# Allegro board FRDM-A-S32K356_PCBLayout.brd (continued)
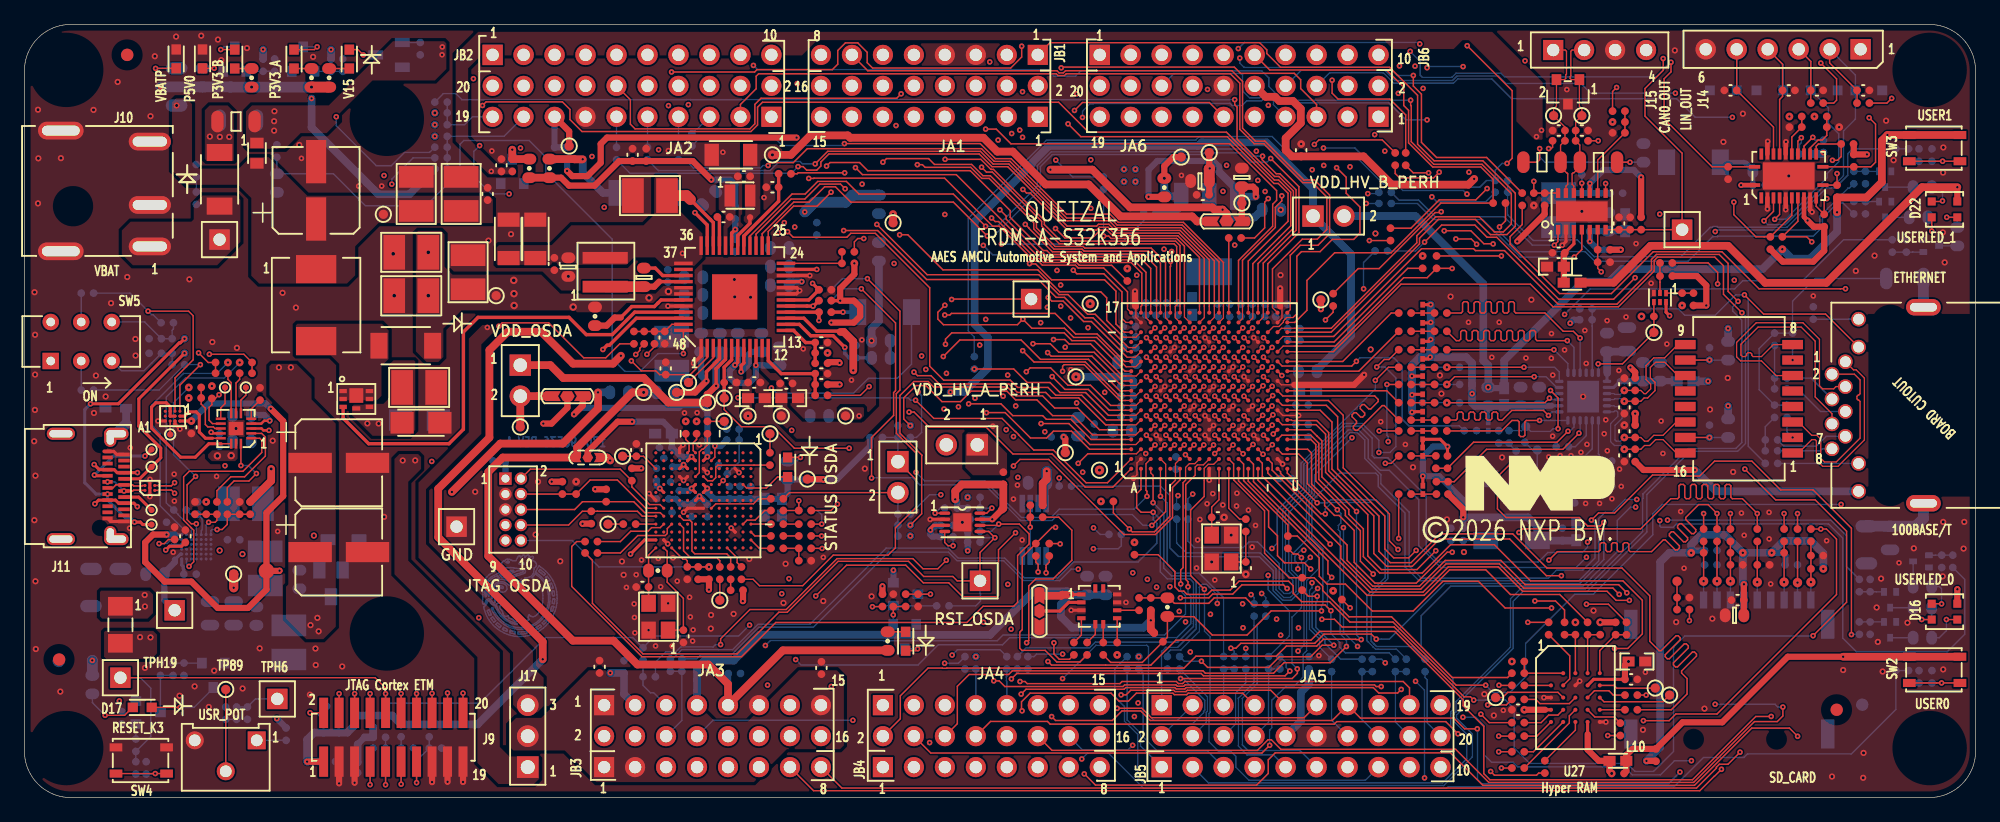
[diagram p0: board, top side]
## Nets (continued)
P3V3_QSPI: C175.1 C176.1 C177.1 L10.2 R495.2 R775.1 R776.1 R779.1 R780.1 U27.B4 U27.D1 U27.E4
P3V3_SDA: C81.1 C82.1 C83.1 C84.1 C85.1 C86.1 C87.1 C88.1 C89.1 C90.1 C91.1 C92.1 C97.1 C101.1 J13.1 Q6.2(\E\) R97.1 R110.1 R115.1 R117.1 R129.1 R130.1 R131.1 R132.1 R141.1 R149.1 R150.1 R151.1 R152.1 R153.1 SJ1.1 SJ2.1 TP29.1(\PIN1\) U8.G5 U8.G6 U8.G7 U8.H5 U8.H6 U8.H7 U8.J3 U8.K3 U8.M6 U8.N12 U10.3
P3V3_SDHD: C173.1 C174.1 J16.4 R752.1 R753.1 R754.1 R755.1 R756.1 R757.1 R805.1
P5V0: C152.1 D16.1 D22.1 JA3.9 L6.2 R5.1 R9.1 R10.1 R137.1 R361.1 R440.1 R528.1 R529.2 SJ2.3 TP124.1(\PIN1\)
V11_MCU: C49.1 C50.1 C51.1 C52.1 C53.1 TP16.1(\PIN1\) U2.H9 U2.J8 U2.J10 U2.K9
V15_MCU: R15.1 R534.1 SJ4.1
V15_MCU_S32K: C58.1 C59.1 C60.1 C61.1 C167.1 C168.1 C169.1 C170.1 C171.1 R534.2 TP17.1(\PIN1\) U2.E9 U2.H8 U2.H10 U2.J13 U2.K8 U2.K10 U2.N6 U2.N8
V25_MCU: C48.1 TP15.1(\PIN1\) U2.J7
VBAT: C1.1 D1.A J10.1 TPH2.1
VBATLIN1_TJA1425: C102.1 C103.1 D11.C(\C\) U11.1
VBATP: F1.1 J14.1 J17.3 R1.1 R500.2 R731.2
VBATP_CAN0: C106.1 C107.1 R169.2 R170.1 U12.10
VBATP_SW: C2.1 C3.1 C6.1 C189.1 F1.2 L1.1 R8.1 TP129.1(\PIN1\)
VBUS_C: J11.A4 J11.A9 J11.B4(\VBUS4\) J11.B9 R501.1 R502.1
VBUS_IN: C67.1 C161.1 C162.1 D1.C(\C\) R82.2 R83.2 R500.1 R730.1 R731.1
VDD_HV_A: C145.1 J9.1 JP4.1 R22.1 R46.1 R124.1 R345.1 R346.1 R347.1 R348.1 R349.1 R350.1 R351.1 R352.1 R353.1 R530.1 R532.1 R806.2 TP125.1(\PIN1\)
VDD_HV_A_MCU: C43.1 C44.1 C45.1 C46.1 C47.1 C163.1 C164.1 C165.1 C166.1 R532.2 TP131.1(\PIN1\) U2.D14 U2.E5 U2.G10 U2.H7 U2.H13 U2.K11 U2.L8 U2.N5 U2.N9
VDD_HV_A_PERH: C150.1 C155.1 C157.1 JA3.3 JA5.10 JA6.10 JP4.2 L7.2 Q11.2(\E\) R156.1 R157.1 R160.1 R162.1 R163.1 R164.1 R165.1 R362.1 R363.2 R396.1 R397.1 R441.1 U11.9(\VIO\)
VDD_HV_B: JP5.1 R531.1 R533.1 TP126.1(\PIN1\)
VDD_HV_B_MCU: C54.1 C55.1 C56.1 C57.1 C62.1 C63.1 Q5.2 Q5.4 R533.2 R795.1 TP130.1(\PIN1\) U2.N4 U2.R7 U2.R10
VDD_HV_B_PERH: C153.1 C159.1 C160.1 C180.1 JA3.7 JP5.2 L9.1 L10.1 R14.1 R158.1 R159.1 R161.1 R256.1 R495.1 R521.1 R522.1 R524.1 R805.2 SJ5.3 SW2.1 SW2.2 SW3.1 SW3.2 U17.1 U18.8(\VCC\)
VDD_OSDA: JP11.2 SJ1.2 TP127.1(\PIN1\)
VDDIO_SDA: C98.1 R124.2 R133.1 R134.1 U10.7(\VCCB\)
ACC_BT_MODE: SJ5.1 U17.2
ACC_I2C_SCL: R516.2 U17.5
ACC_I2C_SDA: R518.2 U17.4
ACC_INT1: R519.1 U17.8
ACC_INT2: R520.1 U17.6
ACC_WAKE_UP: R517.1 U17.7(\\\S\\P\\I\\_\\C\\S\\/WAKE_UP\)
ADC_POT0: C158.1 R50.1 R51.1 R369.2 TPH6.1
BYPASS1: C75.2 U4.4
CAN0_EN: R73.1 R173.2 R182.1 U12.6
CAN0_ERRN: R74.1 U12.8
CAN0_INH: C115.1 R4.1 R170.2 R179.1 TPH24.1 U12.7
CAN0_RX: R54.1 U12.4
CAN0_STB: R75.1 R172.2 R181.1 U12.14
CAN0_TX: R52.1 U12.1
CAN0_WAKE: R171.2 R180.1 R454.2 U12.9(\WAKE\)
CAN_H_OUT: C113.1 J15.1 R174.1 R176.1 TP58.1(\PIN1\) U12.13 U13.2
CAN_L_OUT: C114.1 J15.2 R175.1 R178.2 TP59.1(\PIN1\) U12.12 U13.1
CANH_OUT: JB3.7 R174.2
CANL_OUT: JB3.8 R175.2
CON_CC1: R123.1 R438.2 R448.1 SW5.3
CON_CC2: R128.1 R439.2 R449.1 SW5.6(\NO2\)
DBG_ACC: TP21.1(\PIN1\) U4.9
EN_SNK: R85.2 R455.2 R457.1 U3.F1
EN_SRC: R84.2 R456.2 R458.1 U3.G1
ENET_CON_NC4: J7.4 R188.1
ENET_CON_NC5: J7.5 R198.1
ENET_CON_NC7: J7.7 R201.1
ENET_CON_NC8: J7.8 R204.1
ENET_CON_RXN: J7.6 T1.8
ENET_CON_RXP: J7.3 T1.6
ENET_CON_TXN: J7.2 T1.3
ENET_CON_TXP: J7.1 T1.1
ENET_CT1: R205.1 T1.2
ENET_CT2: R218.1 T1.7
ENET_CT3: C121.1 R197.2 T1.10
ENET_CT4: C172.1 R733.2 T1.15
ENET_RESET: R744.2 TP135.1(\PIN1\) U14.24 U21.4(\Y\)
ENET_RXN: C120.1 R196.2 T1.9 U14.3
ENET_RXP: C119.1 R192.2 T1.11 U14.4
ENET_TXN: C118.1 R195.2 T1.14(\TX-\) U14.5
ENET_TXP: C117.1 R191.2 T1.16 U14.6
ENETPHY_MII_RMII_MDC: R185.2 R189.2 R220.2
ENETPHY_MII_RMII_MDIO: R186.2 R187.2 R223.2
ENETPHY_MII_RMII_RX_ER: R221.2 R227.2 R244.1
ENETPHY_MII_RMII_RXD0: R209.2 R210.2 R232.1
ENETPHY_MII_RMII_RXD1: R208.2 R211.2 R234.1
ENETPHY_MII_RMII_TX_CLK: R255.2 R257.2 R263.1
ENETPHY_MII_RMII_TX_EN: R254.2 R259.2 R271.1
ENETPHY_MII_RMII_TXD0: R228.1 R239.2 R241.2
ENETPHY_MII_RMII_TXD1: R229.1 R238.2 R242.2
EPHY_ANEN_S: J7.11 R219.2 R541.2 R542.1 U14.23
EPHY_INTR: R222.2 R224.2 R243.1
EPHY_INTRP: R243.2 R543.2 R544.1 U14.18
EPHY_MDC: R216.2 R220.1 U14.11
EPHY_MDIO: R217.2 R223.1 U14.10
EPHY_PHYAD: R270.2 R537.2 R538.1 U14.15
EPHY_PME_EN: R244.2 R539.2 R540.1 U14.17
EPHY_REFCLK: R267.1 TP63.1(\PIN1\) U14.16
EPHY_RXD0: R232.2 U14.13
EPHY_RXD1: R234.2 U14.12
EPHY_TXD0: R228.2 U14.20
EPHY_TXD1: R229.2 U14.21
EPHY_TXEN: R271.2 U14.19
ETM_TRACE_CLKOUT: J9.12 U2.K7
ETM_TRACE_D0: J9.14 U2.K6
ETM_TRACE_D1: J9.16 U2.L6
ETM_TRACE_D2: J9.18 U2.M8
ETM_TRACE_D3: J9.20 U2.L9
EXTAL: C66.1 U2.K1 Y1.3
EXTVBAT: C154.1 C156.1 J17.2 JA3.1 JA3.15 JB3.1 JB3.2
FRS_EN: U3.B6 U4.1
FS26_AMUX: R21.1 R48.2
FS26_FCCU1: R26.2 R34.2 U1.17
FS26_FCCU2: R29.2 R35.2 U1.18
FS26_FS0B: C27.1 R27.2 R37.2 U1.13
FS26_FS1B: C28.1 R28.2 R38.2 U1.12
FS26_GPIO1: TP9.1(\PIN1\) U1.3
FS26_INTB: R23.2 R39.2 U1.24
FS26_VBOS: C14.1 D20.A U1.35
FS26_VCORE: C24.1 C25.1 C26.1 L3.2 SJ4.2 TP119.1(\PIN1\) U1.15 U1.30
FS26_VDDIO: C20.1 C21.1 R22.2 R23.1 R24.1 R26.1 R27.1 R28.1 U1.23
FS26_VDEBUG: C40.1 R17.1 R42.2 R43.2 R44.1
FS26_VLDO1: C33.1 C34.1 R31.1 R530.2 TP122.1(\PIN1\) U1.11
FS26_VLDO2: C35.1 C36.1 R531.2 TP123.1(\PIN1\) U1.9
FS26_VMONEXT_0V8: R32.2 R33.1 U1.14
FS26_VPRE: C15.1 C17.1 C18.1 C22.1 C29.1 C32.1 C181.1 L2.2 U1.7 U1.10 U1.34 U1.36 U1.37
FS26_VREF: C37.1 U1.8
FS26_VTRK1: C30.1 C69.1 C70.1 C77.1 R528.2 R806.1 TP120.1(\PIN1\) U1.4 U3.D2 U3.D3 U3.E2 U3.E3 U3.F2 U3.F3 U3.G2 U3.G3 U4.12
FS26_VTRK2: C31.1 C76.1 JP11.1 R87.1 R92.1 TP121.1(\PIN1\) U1.5 U4.3(\VDD\)
FS26_WAKE1_IN: C186.1 R4.2 R6.2 R803.2 U1.47
GMAC0_MII_RMII_RX_DV_RGMII_RXCTL: R184.2 R190.2 R270.1
ILIM_5V_VBUS: TP22.1(\PIN1\) U4.6
JTAG_TCLK/SWD_CLK: J9.4 R105.2 R346.2 R360.1 U2.F7
JTAG_TDI: J9.8 R108.2 R348.2 U2.F8
JTAG_TDO: J9.6 R109.2 R347.2 U2.G8
JTAG_TMS/SWD_DIO: J9.2 R106.2 R107.2 R345.2 U2.F6
LD_I2C_SCL: R95.1 U3.B1
LD_I2C_SDA: R89.1 R96.1 U3.C1
LD_NFLT: R87.2 R90.1 U4.11
LD_NINT: R90.2 U3.D1
LED_BLUE_0: Q8.3 R322.2
LED_BLUE_1: Q14.3 R786.2
LED_GREEN_0: Q9.3 R321.2
LED_GREEN_1: Q15.3 R785.2
LED_RED_0: Q10.3 R320.2
LED_RED_1: Q16.3 R784.2
LIN1_OUT: JB3.3 R155.2
LIN1_RX: R56.2 R156.2 U11.7
LIN1_SLP: R160.2 R167.1 U11.18
LIN1_TX: R55.2 R157.2 U11.11
LIN2_OUT: JB3.5 R166.2
LIN2_RX: R60.2 R158.2 U11.8
LIN2_SLP: R161.2 R168.1 U11.15
LIN2_TX: R58.2 R159.2 U11.12
LIN3_RX: R162.2 R800.2 U11.16
LIN3_TX: R163.2 R799.2 U11.13
LIN4_RX: R164.2 R802.2 U11.17
LIN4_TX: R165.2 R801.2 U11.14
LIN_1_OUT: C104.1 D14.1 J14.2 R155.1 U11.4
LIN_2_OUT: C105.1 D15.1 J14.3 R166.1 U11.5
LIN_3_OUT: C178.1 D23.1 J14.4 U11.20
LIN_4_OUT: C179.1 D24.1 J14.5 U11.21
LIN_INH: R803.1 R804.1 U11.24
OPENSDA_UART_RX: J12.2 R113.2 R117.2 R118.1 R120.1
OPENSDA_UART_TX: J12.1 R114.2 R115.2 R116.1 R119.1
P_OSDA: C95.1 C96.1 R136.1 SJ2.2 U8.F2 U8.H2 U8.J2
PHY_50MHZ: R249.2 R261.1 TP65.1(\PIN1\) Y4.3
POT: C149.1 R369.1 R370.2(\WIPER\) TP89.1(\PIN1\)
POWER_EN: R148.2 TP118.1(\PIN1\)
PTA0: JA1.15 U2.A13
PTA1: JA1.13 U2.B14
PTA2: JA1.9 U2.D17
PTA3: JA1.11 U2.E16
PTA6: R54.2 U2.M15
PTA7: R52.2 U2.M16
PTA8: R6.1 R418.1 U2.A2
PTA9: R413.1 R430.1 U2.B3
PTA11: R74.2 U2.B7
PTA12: JA4.16(\B8\) U2.A7
PTA13: JA4.5 U2.A9
PTA14: JA4.11 U2.A10
PTA15: R119.2 U2.A11
PTA16: R120.2 U2.A12
PTA17: R51.2 U2.L17
PTA18: R414.1 R432.1 U2.B1
PTA19: JA5.1 U2.C1
PTA20: JA5.3 U2.E4
PTA21: R415.2 U2.D1
PTA22: JA6.20 U2.C3
PTA23: JA6.18 U2.D3
PTA26: R2.1 R431.2
PTA27: JA5.2 R3.1
PTB0: U1.28 U2.P16
PTB1: U1.26 U2.R17
PTB2: JA4.8 U2.T11
PTB4: JA4.6 U2.U3
PTB9: R56.1 U2.C15
PTB10: R55.1 U2.D15
PTB11: JA3.8 U2.C17
PTB12: JA1.1 U2.H17
PTB13: JA1.3 U2.H16
PTB14: R405.1 U2.J17
PTB15: R406.1 U2.J16
PTB16: R407.1 U2.K17
PTB17: R409.1 U2.K16
PTB18: R764.1 U2.R1
PTB19: R765.1 U2.R2
PTB20: R425.2 U2.T1
PTB21: R424.2 U2.U1
PTB24: R211.1 U2.P7
PTB26: R767.1 U2.R9
PTB27: R224.1 R426.2 U2.P9
PTB29: R242.1 U2.U12
PTB30: R748.2 U2.U13
PTB31: JB5.2 U2.T14
PTC0: R770.1 U2.U7
PTC1: R774.1 U2.T8
PTC2: R713.1 U2.T4
PTC3: R745.2 U2.T3
PTC6: R94.2 R96.2 R403.1 R518.1 R526.2 U2.C12
PTC7: R93.2 R95.2 R401.1 R516.1 R527.2 U2.B12
PTC8: U1.27 U2.N15
PTC9: U1.25 U2.N14
PTC10: JA2.3 U2.T17
PTC11: JA2.1 U2.T15
PTC12: JA4.10 R433.2 U2.P11
PTC13: JA4.12 U2.R11
PTC14: R210.1 U2.T9
PTC15: R190.1 U2.U9
PTC16: R227.1 U2.P6
PTC17: R773.1 U2.R6
PTC18: R241.1 U2.U11
PTC19: R257.1 U2.T12
PTC20: R75.2 R751.2 U2.T13
PTC21: R73.2 R750.2 U2.R13
PTC22: JB1.1 U2.U15
PTC23: R50.2 U2.U14
PTC24: JA3.4 U2.R15
PTC25: JA3.2 U2.R14
PTC28: R398.1 U2.P17
PTC29: R399.1 U2.N16
PTC30: JA3.14 U2.N17
PTC31: JA3.16(\B8\) R76.2 U2.L14
PTD0: JA4.3 U2.F3
PTD1: JA4.1 U2.E3
PTD2: JA1.5 U2.F16
PTD3: JA1.7 U2.F17
PTD4: R48.1 U2.G16
PTD5: JA4.2 U2.U5
PTD6: JA4.4 U2.T5
PTD13: R427.2 U2.P5
PTD14: R428.2 U2.M4
PTD15: R7.2 R429.2
PTD16: R187.1 U2.P2
PTD17: R189.1 U2.N3
PTD20: JA3.10 U2.K15
PTD21: JA3.12 U2.H15
PTD23: JA5.17 R37.1 U2.E17
PTD24: JA5.19 R38.1 U2.D16
PTD25: JB1.2 U2.C16
PTD26: JA6.7 U2.A16
PTD27: JA6.5 U2.A15
PTD28: JA6.11 U2.B13
PTD29: JA6.9 U2.C14
PTD30: JA6.15 U2.D13
PTD31: JA6.13 U2.C13
PTE0: R116.2 R412.1 U2.B5
PTE1: R118.2 R417.1 U2.A5
PTE2: JA4.13 U2.B10
PTE3: R400.1 R422.2 R519.2 R521.2 R523.1 U2.N1
PTE4: JA6.19 R58.1 U2.G6
PTE5: JA6.17 R60.1 U2.F2
PTE6: JA4.15 U2.B11
PTE7: R420.1 U2.M17
PTE8: R435.2 U2.R4
PTE9: JA4.14 R259.1 U2.R3
PTE13: R79.2 U2.F1
PTE14: R421.2 U2.L3
PTE15: R34.1 U2.D2
PTE16: R35.1 U2.C2
PTE17: JA6.3 R92.2 U2.D12 U4.10
PTE18: JA6.1 R39.1 U2.D11
PTE19: R749.2 U2.C11
PTE20: JB5.4 U2.C10
PTE21: R416.2 R743.1 U2.F9
PTE22: JA5.7 U2.B9
PTE23: JA5.9 U2.D8
PTE24: JA5.11 R517.2 U2.A8
PTE25: JA5.13 R454.1 U2.B8
PTE26: C182.1 JA5.15 TP8.1(\PIN1\) U1.6 U2.D5
PTE27: JB1.5 U2.G9
PTE28: JA6.2 U2.C4
PTE29: JA6.4 U2.C5
PTE30: JA6.6 U2.A4
PTE31: JA6.8 U2.B4
PTF0: JA2.10 U2.A6
PTF1: JA2.12 U2.B6
PTF2: JA2.14 U2.C6
PTF3: JA2.16 U2.D6
PTF4: JA1.2 U2.C7
PTF5: JA1.4 U2.C8
PTF6: JA1.6 U2.D7
PTF7: JA1.8 U2.C9
PTF8: JA1.10 U2.D10
PTF9: JA1.12 U2.B15
PTF10: JB4.1 U2.B17
PTF11: JB4.2 U2.H11
PTF12: JB4.3 U2.E15
PTF13: JB4.4 U2.E14
PTF14: JB4.5 U2.F15
PTF15: JB4.6 U2.F14
PTF16: JB4.7 U2.G15
PTF17: JB4.8 U2.G14
PTF18: JB6.10 U2.H14
PTF19: JB6.9 U2.J11
PTF20: JB6.8 U2.J15
PTF21: JB6.7 R798.2 U2.K14
PTF22: JB6.6 R797.2 U2.U16
PTF23: JB6.5 R796.2 U2.M14
PTF24: JB6.4 U2.M12
PTF25: JB6.3 U2.P12
PTF26: JB6.2 U2.R12
PTF27: JB6.1 U2.P13
PTF28: JB1.6 U2.L10
PTF29: JA2.18 U2.K4
PTF30: JA2.20 U2.K3
PTG0: JA2.2 U2.J2
PTG1: JA2.4 U2.H2
PTG2: JB5.7 U2.J3
PTG3: JB5.8 U2.K2
PTG4: JB5.9 U2.G4
PTG5: JB5.10 U2.H4
PTG8: JA6.14 U2.F4
PTG9: JA6.16 U2.G2
PTG10: JA1.14 U2.A1
PTG11: JA1.16(\B8\) U2.A17
PTG12: JB1.7 U2.U17
PTG13: JA2.6 U2.G3
PTG14: JA2.8 U2.H3
PTG17: JB1.8 U2.M9
PTG18: JB2.10 U2.M10
PTG19: JB2.9 U2.M11
PTG20: JB2.8 U2.L12
PTG21: JB2.7 U2.K12
PTG22: JB2.6 U2.J12
PTG23: JB2.5 U2.H12
PTG24: JB2.4 U2.G12
PTG25: JB2.3 U2.F12
PTG26: JB2.2 U2.F11
PTG27: JB2.1 U2.F10
PTG29: R62.2 U2.G5
PTG30: R61.2 U2.F5
PTG31: R59.2 U2.E6
PTH1: R57.1 U2.E8
PTH3: R53.1 U2.E11
PTH4: R799.1 U2.E12
PTH5: R800.1 U2.F13
PTH6: R801.1 U2.G13
PTH7: R802.1 U2.K13
PTH9: R520.2 R522.2 R523.2 U2.M13
PTH11: R525.1 U2.N12
QSPI_A_CS: R745.1 R776.2 U27.A3
QSPI_A_RDS: R774.2 U27.C3
QSPI_A_SCK: R714.1 U27.B2
QSPI_INT_PTA27: R3.2 R781.2 U2.M2
QSPI_IO0: R715.2 U27.D3
QSPI_IO0_PTD11: R715.1 U2.U6
QSPI_IO1: R746.2 U27.D2
QSPI_IO1_PTD7: R746.1 U2.U4
QSPI_IO2: R747.2 U27.C4
QSPI_IO2_PTD12: R747.1 U2.R5
QSPI_IO3: R713.2 U27.D4
QSPI_IO4: R770.2 U27.D5
QSPI_IO5: R771.2 U27.E3
QSPI_IO5_PTD9: R771.1 U2.U8
QSPI_IO6: R772.2 U27.E2
QSPI_IO6_PTD8: R772.1 U2.R8
QSPI_IO7: R773.2 U27.E1
QSPI_RST_PTA28: R777.2 U2.N2
QSPI_RSTO_PTA26: R2.2 R782.2 U2.L2
QSPI_SCK_PTD10: R714.2 R778.2 U2.T6
RESET_MCU: C187.1 D21.A J9.10 R135.2 R349.2 R364.2 R365.1 R419.1 R742.1 TPH19.1 U1.2(\WAKE2\) U2.A3
RGBLED0_BLUE: R59.1 R333.1
RGBLED0_GREEN: R61.1 R338.1
RGBLED0_RED: R62.1 R341.1
RGBLED1_BLUE: R787.1 R796.1
RGBLED1_GREEN: R789.1 R797.1
RGBLED1_RED: R791.1 R798.1
SDA_EXTAL_16MHZ: C94.1 R104.1 U8.N13 Y2.3
SDA_JTAG_TCLK: J13.4 R150.2 R154.1 U8.N8
SDA_JTAG_TDI: J13.8 R152.2 U8.N9
SDA_JTAG_TDO: J13.6 R151.2 U8.M9
SDA_JTAG_TMS: J13.2 R149.2 U8.M8
SDA_LED: D9.C(\CATHODE\) U8.B5
SDA_LVLRST_EN: R99.2 R132.2 U10.6
SDA_RST_B: J13.10(\B5\) R110.2 R112.1 R153.2 U8.L13
SDA_RST_TGTMCU: R100.2 R130.2 R142.1 TPH10.1 U10.5
SDA_SWD_DIN: R107.1 R108.1 R127.2
SDA_SWD_DOUT: R106.1 R126.2
SDA_SWD_EN: R102.2 TP134.1(\PIN1\)
SDA_SWD_OE: R98.2 TP133.1(\PIN1\)
SDA_SWD_SCK: R105.1 R125.2
SDA_SWD_SWO: R109.1 R111.1 R121.2
SDA_USB_DN: R139.2 U8.H1
SDA_USB_DP: R140.2 U8.J1
SDA_USB_P5V_SENSE: C100.1 R136.2 R138.1 U8.E5
SDA_XTAL_16MHZ: C93.1 R104.2 U8.M13 Y2.1
TEMP_ALERT: R524.2 R525.2 U18.3
TEMP_I2C_SCL: R527.1 U18.2
TEMP_I2C_SDA: R526.1 U18.1
USB1_CC1: U4.13 U7.A2
USB1_CC2: U4.14 U7.B2 U7.C1 U7.C2
USB1_DN: R139.1 U6.C1
USB1_DP: R140.1 U6.C2
USB1_VBUS_IN: C72.2 R82.1 R83.1 TP20.1(\PIN1\) U3.C6 U3.D6 U3.E6 U3.F6 U3.G6
USB_CC1_PD_OVP: R448.2 R452.2 U7.A1
USB_CC2_PD_OVP: R449.2 R453.2 U7.B1
USB_CHASSIS: J11.SH1 J11.SH2 J11.SH3 J11.SH4 L4.1
USB_VBUS: R502.2 R529.1
USBC_CC1: J11.A5 R438.1 TP24.1(\PIN1\)
USBC_CC2: J11.B5 R439.1 TP25.1(\PIN1\)
USBC_DN: J11.A7 J11.B7 U6.A1
USBC_DP: J11.A6 J11.B6 U6.A2
USBC_EN_SNK1: R85.1 U4.2
USBC_EN_SRC1: R84.1 U4.16
USBC_I2C_SCL: R93.1 U4.8
USBC_I2C_SDA: R94.1 U4.7
USBC_SBU1: J11.A8 TP26.1(\PIN1\)
USBC_SBU2: J11.B8 TP27.1(\PIN1\)
USBC_VBUS: F2.1 R501.2
USBC_VBUS_F: C68.1 D8.A F2.2 R455.1 R456.1 U3.C2 U3.C3 U3.C4 U3.C5 U3.D4 U3.D5 U3.E4 U3.E5 U3.F4 U3.F5 U3.G4 U3.G5 U4.15
USDHC_CDETECT: R7.1 R783.1 U2.L4
USDHC_CLK: J16.5 R760.1 R768.2 TPAD29.1(\PIN1\)
USDHC_CLK_PTA30: R768.1 U2.P3
USDHC_CMD: J16.3 R756.2 R759.1 R767.2 TPAD28.1(\PIN1\)
USDHC_D0: J16.7 R752.2 R763.2 TPAD24.1(\PIN1\)
USDHC_D0_PTA31: R763.1 U2.P1
USDHC_D1: J16.8 R753.2 R764.2 TPAD25.1(\PIN1\)
USDHC_D2: J16.1 R754.2 R765.2 TPAD26.1(\PIN1\)
USDHC_D3: J16.2 R755.2 R758.1 R766.2 TPAD27.1(\PIN1\)
USDHC_D3_PTA29: R766.1 U2.M3
USDHC_WP_RST_PTE12: R769.1 U2.M1
USER_SW0: C144.1 R57.2 R343.2
USER_SW1: C147.1 R53.2 R76.1 R356.2
VBST_FB: R20.2 U1.43
VBST_FE_LS: D2.A L1.2 Q1.1 Q1.2 Q1.5 Q1.6 Q1.7
VBST_G: Q1.3 U1.45
VBST_ISH: C11.1 Q1.4 Q1.8(\S2\) R11.1 R12.1 U1.46
VCORE_SW: C23.2 L3.1 U1.32
VLDO1_3V3: C74.1 TPH23.1 U3.A5(\VLDO\)
VLDO_3V3: C71.1 C79.1 C80.1 TP23.1(\PIN1\) U3.A1 U5.1(\OUT\) U7.A3(\VSYS\)
VPRE_SW: C19.2 L2.1 U1.40
VRC_CTRL_MCU: Q5.1 R47.1 R79.1 TP18.1(\PIN1\)
VREFH_MCU: C41.1 C42.1 R46.2 R404.1 TP132.1(\PIN1\) U2.H6
VREG_OUT: SJ1.3 U8.G2
VSUP: C4.1 C5.1 C7.1 C8.1 C39.1 C183.1 C184.1 C185.1 C188.1 D2.C(\C\) D11.A J17.1 R20.1 R40.1 R169.1 TP128.1(\PIN1\) U1.41 U1.42
VTRG_FAULT_B: R147.2 TP117.1(\PIN1\)
XI: C130.1 R248.2 Y3.3
XO: C129.1 R251.2 Y3.1
XTAL: R80.1 U2.L1
N31247155: C72.1 U3.A6
N31247188: C73.1 U3.A3
N31247252: R86.2 U3.A2
N31247271: R88.2 R89.2 U3.E1
N31247503: R91.1 U4.5
N31247625: C78.1 D8.C(\C\) U5.2
N31251642: C1.2 C9.1
N31251737: C10.1 R1.2 U1.48
N31252150: D5.C(\CATHODE\) Q2.3
N31252152: D18.C(\CATHODE\) Q13.3
N31252154: D6.C(\CATHODE\) Q3.3
N31252156: Q2.1 R14.2 R18.1
N31252158: Q13.1 R441.2 R442.1
N31252160: C12.1 U1.21
N31252218: Q3.1 R15.2
N31252222: C13.1 R17.2 U1.31
N31252562: C16.1 R21.2 U1.29
N31252632: C19.1 U1.39
N31252893: C23.1 U1.33
N31252925: R24.2 R732.2 TPH11.1 U1.16
N31253599: R31.2 R32.1
N31256137: C64.1 Q5.3(\EMITTER\) R47.2 SJ4.3 TP19.1(\PIN1\)
N31264311: R97.2 R101.2
N31264493: R98.1 U8.N10
N31264544: R99.1 U8.M10
N31264574: R100.1 U8.L10
N31264589: R101.1 U8.K9
N31264611: R102.1 U8.K10
N31265091: R113.1 U8.F8
N31265119: R114.1 U8.D13
N31265204: R121.1 U8.A12
N31265256: R125.1 U8.A11
N31265287: R126.1 U8.A10
N31265321: R127.1 U8.B10
N31265504: D9.A R129.2
N31265549: C99.1 TP44.1(\PIN1\) U8.N3
N31265761: R131.2 U10.4
N31265784: R133.2 U10.1
N31265786: R134.2 R135.1 U10.8
N31265926: D10.A R137.2
N31265932: R147.1 U8.G4
N31265953: R148.1 U8.H4
N31266029: Q6.1 R141.2 R142.2
N31266033: D10.C(\CATHODE\) Q7.3
N31266043: Q6.3 R143.1 R144.1
N31266068: Q7.1 R143.2 R145.1
N31272754: R188.2 R193.1 R198.2
N31272878: C116.1 R193.2 R203.2 R205.2 R218.2
N31273064: R201.2 R203.1 R204.2
N31273232: C122.1 C123.1 U14.1
N31273242: C124.1 C125.1 L8.1 U14.2
N31273886: J7.10 R219.1
N31274097: J7.12 R226.1
N31274392: R240.1 U14.9
N31274488: R251.1 U14.7(\XO\)
N31274490: R248.1 R249.1 U14.8
N31275038: R261.2 R263.2 R267.2
N31275110: R264.2 R268.2 Y4.1
N31281170: D16.2 R320.1
N31281236: D16.3 R321.1
N31281323: D16.4(\CATHODE3\) R322.1
N31281558: Q8.1 R333.2 R335.1
N31281745: Q9.1 R338.2 R340.1
N31281862: Q10.1 R341.2 R342.1
N31281949: C143.1 R343.1 R344.1 SW2.3 SW2.4
N31282243: J9.7 R350.2 R357.1
N31282273: J9.9 R351.2 R354.1
N31282311: J9.11 R352.2 R355.1
N31282344: J9.13 R353.2 R358.1
N31282387: C146.1 R356.1 R359.1 SW3.3 SW3.4
N31282661: R363.1 R370.1
N31282673: C148.1 R364.1 SW4.3 SW4.4
N31282693: Q11.1 R362.2 R365.2
N31282697: D17.C(\CATHODE\) Q12.3
N31282741: Q11.3 R366.1 R367.1
N31282766: Q12.1 R366.2 R368.1
N31295854: JA2.17 R396.2 R399.2 R400.2 R403.2
N31295856: JA2.19 R397.2 R398.2 R401.2
N31295918: C151.1 JA2.15 R404.2 TP90.1(\PIN1\)
N31295922: JA2.11 R405.2
N31295924: JA2.9 R406.2
N31295926: JA2.7 R407.2
N31295928: JA2.5 R409.2
N31296407: JA4.9 R412.2 R413.2 R414.2
N31296516: JA5.5 R415.1 R416.1
N31296560: JA4.7 R417.2 R418.2
N31296755: JA3.5 R419.2 R420.2
N31296976: JA5.16 R421.1 R426.1
N31296996: JA5.18 R422.1 R425.1
N31297028: JA3.6 R430.2 R432.2
N31297058: JA5.4 R431.1 R435.1
N31297060: JA5.6 R429.1
N31297062: JA5.8 R428.1 R433.1
N31297068: JA5.14 R427.1
N31297074: JA5.20 R424.1
N31332732: D7.3 R40.2 R42.1
N31332843: D20.C(\C\) R43.1
N31354711: R452.1 SW5.2
N31354733: R453.1 SW5.5
N31355537: TP28.1(\PIN1\) U7.C3
N31929135: D21.C(\C\) R732.1
N31945803: R734.2 R743.2 U21.2
N31945805: R735.2 R742.2 U21.1
N31948194: R775.2 R777.1 U27.A4
N31948515: R778.1 U27.B1
N31949063: J16.9 R757.2 R762.1 R783.2 TPAD45.1(\PIN1\)
N31949071: R761.1 R769.2 TPAD44.1(\PIN1\)
N31950347: D22.2 R784.1
N31950366: D22.3 R785.1
N31950383: D22.4(\CATHODE3\) R786.1
N31950420: Q14.1 R787.2 R788.1
N31950474: Q15.1 R789.2 R790.1
N31950528: Q16.1 R791.2 R792.1
N31953697: JB5.6 R750.1
N31953719: JB5.5 R751.1
N31953748: JB5.3 R749.1
N31953777: JB5.1 R748.1
N32010443: C65.1 R80.2 Y1.1
N32024378: TPAD21.1(\PIN1\) U27.C2
N32024380: TPAD22.1(\PIN1\) U27.C5
N32025708: R779.2 R781.1 U27.A5
N32025830: R780.2 R782.1 U27.A2
N32028274: C110.1 C111.1 L6.1 U12.3
N32028320: C108.1 C109.1 L7.1 R171.1 R172.1 R173.1 U12.5
N32028656: C112.1 R176.2 R177.2 R178.1
N32028686: R177.1 U12.11
N32132903: R795.2 U2.L5
N32204522: TPAD20.1(\PIN1\) U27.B5
N312518471: D3.A R8.2
N312825781: D17.A R361.2
N320402770: D4.A R5.2
N320404500: D5.A R9.2
N320404720: D18.A R440.2
N320404960: D6.A R10.2

Pads without a net: D7 2; J11 A2 A3 A10 A11 B2 B3 B10 B11; J13 7 9; J15 4; SW5 1 4; T1 4 5 12 13; U1 38; U2 A14 E1 E2 E7 E10 G1 G17 H1 H5 K5 L13 L15 L16 M6 M7 N11 N13 P8 P10 P15 R16 U2 U10; U7 D1 D2; U8 A1 A2 A3 A4 A5 A6 A7 A8 A9 A13 B1 B2 B3 B4 B6 B7 B8 B9 B11 B12 B13 C1 C2 C4 C5 C6 C7 C8 C9 C10 C12 C13 D1 D2 D3 D4 D5 D6 D7 D8 D9 D10 D11 D12 E1 E2 E3 E4 E6 E7 E8 E9 E10 E11 E12 E13 F1 F3 F4 F5 F6 F7 F9 F10 F11 F12 F13 G1 G9 G10 G11 G12 G13 H3 H9 H10 H11 H12 H13 J5 J6 J7 J9 J10 J11 J12 J13 K2 K5 K6 K7 K8 K11 K12 K13 L1 L2 L3 L4 L5 L6 L7 L8 L9 L11 L12 M1 M2 M3 M4 M5 M7 M11 N1 N2 N4 N5 N6 N11; U11 2 23; U17 11 12; U21 5

## Via types
v1: diameter 0.457, hole 0.203, TOP to BOTTOM, 937 vias
v2: diameter 0.457, hole 0.206, TOP to BOTTOM, 76 vias
v3: diameter 0.508, hole 0.257, TOP to BOTTOM, 35 vias
v4: diameter 0.508, hole 0.254, TOP to BOTTOM, 138 vias
v5: diameter 0.61, hole 0.305, TOP to BOTTOM, 8 vias
v6: diameter 0.61, hole 0.307, TOP to BOTTOM, 4 vias

## Routing (per net, layer and track width the routed paths; a pad name or vN(x,y) marks a point on that pad's centre or on a via; arc(x,y) is an arc through that point)
GND: length 64.8
  TOP w0.102: U2.T16 103.12,39.34 103.12,40.15 102.97,40.29 ; U2.T10 103.07,33.86 104.13,33.86 ; U2.B2 91.23,27.45 91.23,26.48 v1(90.94,26.19) ; U2.B16 91.14,39.39 91.14,40.29
  TOP w0.118: U2.T7 103.19,31.34 v1(104.48,31.34)
  TOP w0.127: U2.J9 v1(97.51,33.73) ; U2.D4 v1(92.8,29.73) ; U2.E13 v1(94.31,36.93) ; U2.G7 v1(95.91,32.13) ; U2.P14 v1(100.8,37.73) ; U2.G11 v1(95.91,35.33) ; U2.P4 v1(100.8,29.73) ; U2.L7 v1(99.11,32.13) ; U2.D9 v1(93.51,33.73) ; U2.J14 v1(96.8,37.73) ; U2.N7 v1(100.71,32.13) ; U2.J4 v1(96.8,29.73) ; U2.M5 v1(99.91,30.53) ; U2.N10 v1(100,34.53) ; U2.L11 v1(99.11,35.33) ; U2.J6 v1(96.8,31.33) ; U2.J5 v1(97.51,30.53)
  TOP w0.254: U8.C11 58.28,21.79 v1(57.95,22.11) ; U8.M12 52.43,21.13 v1(52.75,20.81) ; J11.B1 7.07,22.65 J11.A12 ; U7.B3 12.35,30.63 v1(12.75,30.23) ; v1(54.05,23.41) 54.38,23.73 U8.J8 U8.H8 U8.G8 ; U2.J1 v1(97.16,26.04) ; U17.3 85.84,15.37 v1(85.83,15.37) ; v1(126.1,45.31) 126.41,45.61 U12.2 ; U8.K1 53.73,28.65 v1(54.01,28.93) ; v1(56,26.66) 55.68,26.98 U8.G3 ; U10.2 74.28,22.83 v1(74.27,22.82) ; U27.B3 v1(127.53,9.56) ; v1(129.68,6.2) 129.68,6.21 U27.E5 ; v1(10.29,24.69) U6.B1 10.29,26.1 v1(10.3,26.11) ; U8.C3 v1(58.6,26.66) ; U2.T2 v1(103.17,27.36) ; U8.K4 53.73,26.33 v1(54.05,26.01) U8.J4 ; J11.B12 7.33,28.4 7.58,28.15 J11.A1 ; U27.C1 v1(124.59,8.21) ; U7.D3 v1(10.95,30.89) ; U8.N7 v1(51.22,24.94)
  TOP w0.279: U1.22 v1(64.4,42.82) ; U1.44 52.77,40.32 v1(52.77,40.32) ; v1(54.87,35.62) 55.49,36.25 U1.1 ; U1.19 63.3,41.32 v1(63.57,41.59) 63.33,41.82 U1.20
  TOP w0.381: U11.6 v1(144.42,48.23) ; U11.22 142.92,53.8 v1(142.95,53.83) ; v1(146.58,48.03) 146.42,48.2 U11.10 ; U11.3 v1(142.92,48.29) ; U11.19 144.42,53.78 v1(144.44,53.79)
  TOP w0.508: 104.13,33.86 109.03,33.86 v1(109.86,34.68) ; J9.5 v1(27.08,1.22) ; J9.3 v1(25.81,1.17) ; v1(91.07,41.52) 91.07,40.37 91.14,40.29 ; v1(102.97,41.77) 102.97,40.3 ; J9.17 v1(34.7,1.3) ; J9.15 v1(33.43,1.27) ; J9.19 v1(35.97,1.28)
  vias: v1(8.62,22.1) v1(8.68,28.7) v1(12.2,20.13) v1(12.28,26.53) v1(12.3,24.33) v1(15.76,26.35) v1(20.77,21.84) v1(22.72,52.43) v1(27.41,50.16) v1(29.3,50.17) v1(38.33,53.04) v1(49.36,17.24) v1(50,15.89) v1(50.02,14.78) v1(50.06,13.52) v1(50.17,18.29) v1(50.6,19.49) v1(51.76,12.44) v1(51.97,19.62) v1(52.17,17.29) v1(52.8,53.07) v1(53.12,12.43) v1(53.18,19.67) v1(53.53,17.76) v1(54.13,31.56) v1(54.54,16.44) v1(54.61,14.82) v1(54.84,13.76) v1(54.79,12.84) v1(55.16,31.57) v1(55.34,28.94) v1(57.28,52.94) v1(60.65,49.22) v1(63.86,36.81) v1(65.51,19.71) v1(67.82,34.24) v1(68.67,37.55) v1(79.41,30.47) v1(81.1,24.49) v1(81.43,25.63) v1(81.81,21.13) v1(85.81,35.1) v1(90.33,16.01) v1(94.88,51.04) v1(96.11,18.84) v1(96.2,21.14) v1(96.39,22.82) v1(96.98,24.1) v1(97.45,24.93) v1(97.61,17.85) v1(98.27,24.01) v1(99.42,24.97) v1(99.39,23.92) v1(100.37,23.58) v1(100.68,20.55) v1(100.95,22.32) v1(106.14,11.65) v1(111.22,30.83) v1(113.24,28.97) v1(118.41,38.99) v1(119.67,27.22) v1(120.32,36.12) v1(120.93,38.99) v1(121.27,7.16) v1(122.05,26.04) v1(122.68,27.81) v1(123.12,36.06) v1(124.08,24.89) v1(124.99,27.94) v1(125.22,38.06) v1(125.21,36.04) v1(125.32,34.66) v1(125.31,29.65) v1(125.93,28.05) v1(125.98,25.27) v1(126.29,36.72) v1(126.37,24.38) v1(126.48,58.08) v1(126.81,28.05) v1(127.64,28.32) v1(127.95,38.32) v1(128.07,35.61) v1(128.02,24.13) v1(128.13,28.97) v1(128.14,27.43) v1(129.16,24.13) v1(129.54,29.84) v1(129.67,30.99) v1(129.78,39.12) v1(129.79,28.45) v1(130.17,24.51) v1(130.74,35.04) v1(130.8,26.94) v1(130.94,25.53) v1(131.33,39.43) v1(132.15,45.44) v1(132.92,10.29) v1(133.39,42.19) v1(134.21,30.89) v1(134.35,28.23) v1(134.68,37.2) v1(135.81,23.47) v1(136.09,18.81) v1(140.79,23.34) v1(141.02,21.51) v1(143.06,23.4) v1(143.07,21.22) v1(143.19,17.52) v1(146.69,41.15) v1(147.78,21.07) v1(153.71,19.26) v2(45.24,25.91) v2(51.18,13.74) v2(52.78,15.94) v2(104.69,53.61) v2(123.77,48.57) v2(131.19,30.56) v2(148.81,55) v3(17.35,30.28) v3(44.6,42.76) v3(58.22,42.5) v3(58.24,41.07) v3(59.54,41.04) v3(76.91,22.58) v3(97.35,19.33) v3(98.37,22.99) v3(98.95,21.53) v3(100.15,18.32) v3(119.84,26.16) v3(127.71,48.09) v3(127.81,32.89) v3(128.15,26.54) v3(129.15,25.19) v3(144.67,50.99) v4(0.83,41.45) v4(0.88,37.97) v4(0.88,34.7) v4(0.86,31.8) v4(0.8,29.23) v4(0.82,22.76) v4(0.91,26.41) v4(0.91,17.74) v4(0.94,12.19) v4(1.12,56.43) v4(1.15,52.44) v4(1.12,48.74) v4(2.95,8.7) v4(2.99,52.45) v4(5.67,56.41) v4(5.7,31.55) v4(5.87,34.62) v4(6.66,32.9) v4(7.11,40.56) v4(7.65,58.7) v4(8.44,42.7) v4(9.1,37.62) v4(9.12,36.26) v4(9.88,10.64) v4(10.34,55.9) v4(10.69,60.81) v4(12.44,62.42) v4(12.72,8.36) v4(13.53,42.51) v4(13.96,9.13) v4(14.5,62.49) v4(15.12,7.44) v4(15.41,37.37) v4(15.56,10.41) v4(15.87,62.18) v4(16.14,60.49) v4(17.42,36.89) v4(17.89,8.95) v4(18.25,61.48) v4(19.29,12.24) v4(20.36,29.28) v4(21.17,41.4) v4(22.26,40.19) v4(22.54,53.54) v4(23.41,8.44) v4(23.67,60.76) v4(23.87,12.23) v4(23.89,10.88) v4(26.06,10.76) v4(29.5,23.03) v4(36.96,25.09) v4(38.05,45.69) v4(39.9,46.22) v4(41.92,21.58) v4(42.12,25.91) v4(43.94,19.39) v4(49,19.37) v4(49.14,18.27) v4(56.31,14.98) v4(56.28,13.87) v4(58.15,15.07) v4(59.44,19.58) v4(62.24,15.97) v4(62.42,19.18) v4(65.51,16.12) v4(68.91,26.98) v4(69.47,16.5) v4(103,42.86) v4(110.39,36.76) v4(110.78,46.27) v4(113.86,27.09) v4(116.07,34.64) v4(116.19,33.14) v4(116.65,22.82) v4(116.94,41.1) v4(118.04,20.14) v4(119.71,8.49) v4(120.49,6.74) v4(121.16,27.91) v4(122.08,24.6) v4(123.57,40.84) v4(128.67,15.34) v4(132.72,5.56) v4(135.33,61.29) v4(135.44,14.4) v4(137.76,7.3) v4(138.22,31.84) v4(138.41,14.68) v4(139.31,53.79) v4(139.67,34.42) v4(140.11,26.71) v4(140.91,56.1) v4(148.22,1.73) v4(149.14,10.46) v4(150.17,43.2) v4(150.78,1.62) v4(150.81,3.66) v4(151.71,44.45) v4(151.88,15.6) v4(151.98,12.77) v4(152.25,17.96) v4(152.37,10.35) v4(152.65,55.52) v4(153.27,52.28) v4(154.41,14.35) v4(154.93,20.45) v4(157.35,53.33) v4(157.33,51.27) v4(157.31,46.36) v4(157.34,22.61) v4(157.3,18.15) v4(157.34,10.52) v4(157.46,43.9) v4(159.07,22.61) v4(159.01,20.43) v6(30.24,44.6) v6(30.33,41.17)
